# Altium PCB ECSE478 - DAQ Device.PcbDoc (part 4 of 4)
Units mil, origin at the board's own origin, x right, y up, seen from the top; angles counter-clockwise.
Board outline 8325 x 4500 mil, 4 copper layers (L1 (Sig), L2 (GND), L3 (GND), L4 (Sig)), stack 23.756 mil thick; 560 components, 359 nets, 1613 pads, 965 vias.
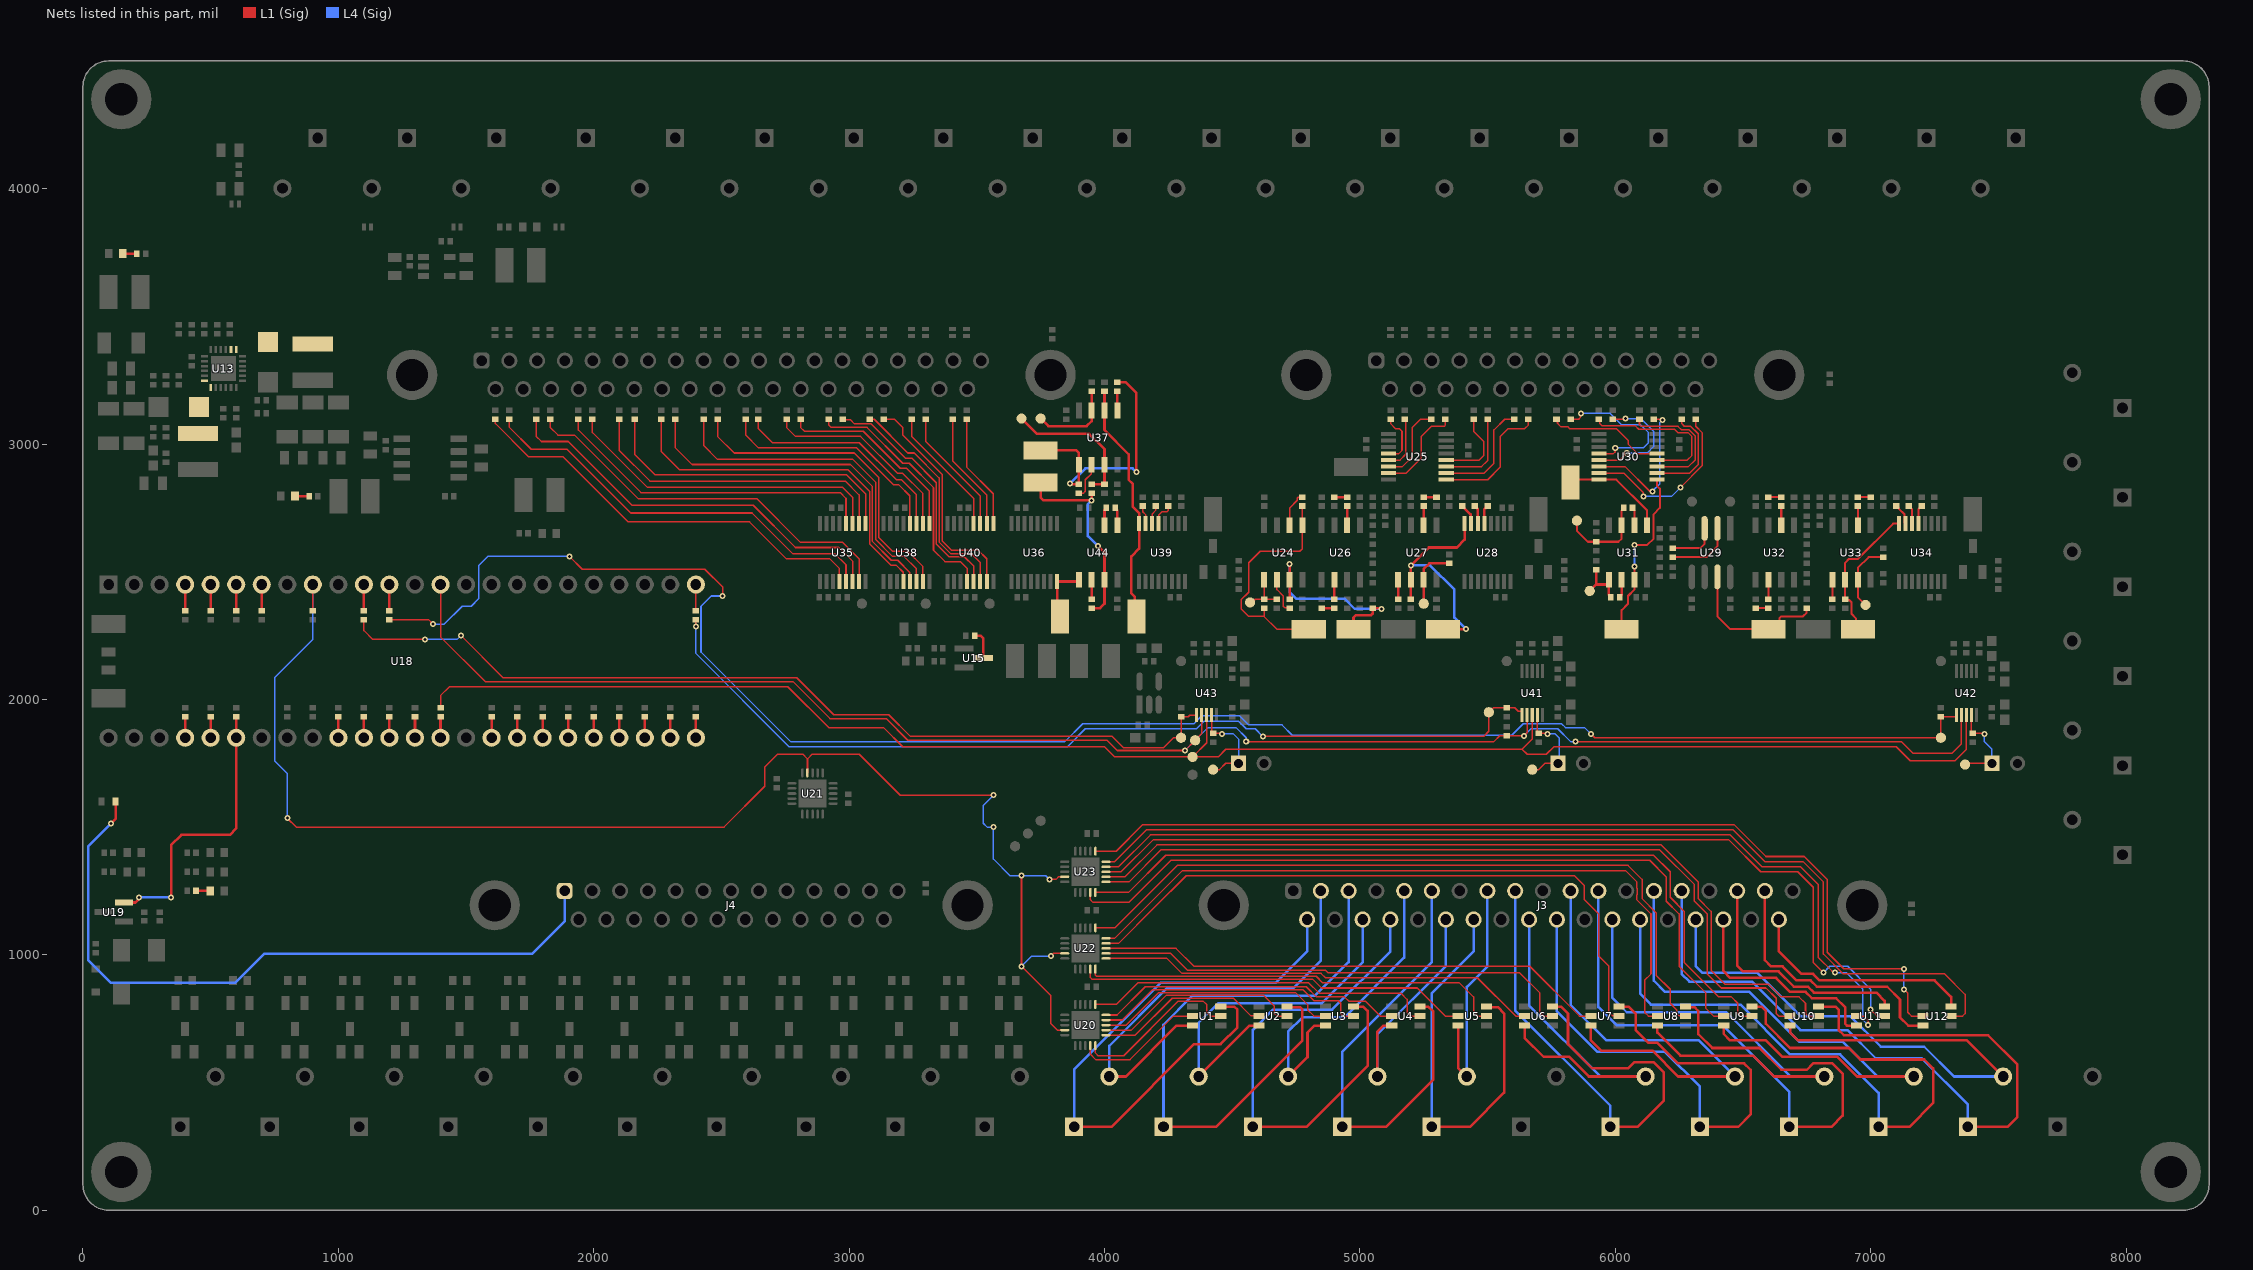
[diagram p6: the nets of this part, all layers, seen from the top]

## Via types
v1: diameter 23.62, hole 11.81, L1 (Sig) to L4 (Sig), tented both sides, 944 vias
v2: diameter 19.68, hole 7.87, L1 (Sig) to L4 (Sig), tented bottom, 16 vias
v3: diameter 23.62/27/27/27 (per signal layer), hole 11.81, L1 (Sig) to L4 (Sig), tented both sides, 3 vias
v4: diameter 23.62/23.62/23.62/27 (per signal layer), hole 11.81, L1 (Sig) to L4 (Sig), tented both sides, 2 vias

## Nets (pads, with @x,y where several pads share a name; then routed paths per layer and width w, separated by ;. In a path a pad name is that pad's centre, name@x,y a point inside that pad or via, vN(x,y) a via of type N, cw(c..) or ccw(c..) an arc to the next point about the centre after c; other vN are vias at no path point) (continued)
NetD30_1: D30.1 R145.1 | length 54.9
  L1 (Sig) w10: R145.1@442.5,1250 D30.1@497.44,1250
NetD31_1: D31.1 R146.1 | length 54.9
  L1 (Sig) w10: D31.1@155.12,3745.87 R146.1@210.06,3745.87
NetD32_2: D32.2 R147.1 | length 54.9
  L1 (Sig) w10: D32.2@830.12,2795.87 R147.1@885.06,2795.87
NetF1_1: F1.1 J4.1 | length 2786.7
  L1 (Sig) w10: v1(110,1515) 127.56,1532.56 F1.1@127.56,1600
  L4 (Sig) w10: v1(110,1515) 20,1425 20,980 110,890 595,890 710,1005 1760,1005 1886.18,1131.18 J4.1@1886.18,1250
NetR11_2: R11.2 U15.3 | length 114.7
  L1 (Sig) w10: R11.2@3492.5,2250 3515,2250 3525.59,2239.41 U15.3@3525.59,2162.2
NetR12_2: R12.2 U18.4 | length 102.5
  L1 (Sig) w10: R12.2@400,2347.5 U18.4@400,2450
NetR13_2: R13.2 U18.5 | length 102.5
  L1 (Sig) w10: R13.2@500,2347.5 U18.5@500,2450
NetR14_2: R14.2 U18.6 | length 102.5
  L1 (Sig) w10: R14.2@600,2347.5 U18.6@600,2450
NetR15_2: R15.2 U18.7 | length 102.5
  L1 (Sig) w10: R15.2@700,2347.5 U18.7@700,2450
NetR16_2: R16.2 U18.11 | length 102.5
  L1 (Sig) w10: R16.2@1100,2347.5 U18.11@1100,2450
NetR17_2: R17.2 U18.12 | length 102.5
  L1 (Sig) w10: R17.2@1200,2347.5 U18.12@1200,2450
NetR18_1: R18.1 U18.35 | length 82.5
  L1 (Sig) w10: U18.35@1400,1850 R18.1@1400,1932.5
NetR62_1: R62.1 R198.1 TP55.1 U24.7 | length 818.7
  L1 (Sig) w10: R198.1@4725,2392.5 U24.7@4725,2468.7 v1(4725,2530) ; TP55.1@4975,2275 4975,2320 4985,2330 5044.14,2330 5050,2335.86 R62.1@5050,2357.5 5082.5,2357.5 v1(5085,2355)
  L4 (Sig) w10: v1(4725,2530) 4725,2420 4750,2395 4940,2395 4980,2355 v1(5085,2355)
NetR68_1: R68.1 U24.2 | length 141.1
  L1 (Sig) w6: U24.2@4725,2681.3 4725,2750 4755,2780 4755,2788.2 4758.51,2791.72 4774.22,2791.72 R68.1@4775,2792.5
NetR68_2: R68.2 R196.2 TP43.1 U24.1 | length 923.3
  L1 (Sig) w6: R196.2@4625,2357.5 4625,2325 ; R68.2@4775,2757.5 U24.1@4775,2681.3 4775,2590 4765,2580 4610,2580 4565,2535 4565,2420 4535,2390 4535,2355 4565,2325 4625,2325 ; TP43.1@4800,2275 4675,2275 4625,2325
NetR69_1: R69.1 U26.2 | length 76.2
  L1 (Sig) w10: R69.1@4900,2392.5 U26.2@4900,2468.7
NetR69_2: R69.2 R70.1 | length 50
  L1 (Sig) w10: R70.1@4850,2357.5 R69.2@4900,2357.5
NetR71_1: R71.1 U26.6 | length 76.2
  L1 (Sig) w10: U26.6@4950,2681.3 R71.1@4950,2757.5
NetR71_2: R71.2 R72.1 | length 50
  L1 (Sig) w10: R72.1@4900,2792.5 R71.2@4950,2792.5
NetR73_1: R73.1 U27.2 | length 76.2
  L1 (Sig) w10: U27.2@5250,2681.3 R73.1@5250,2757.5
NetR73_2: R73.2 R74.1 | length 50
  L1 (Sig) w10: R73.2@5250,2792.5 R74.1@5300,2792.5
NetR77_1: R77.1 U27.5 | length 76.2
  L1 (Sig) w10: R77.1@5150,2392.5 U27.5@5150,2468.7
NetR79_2: R79.2 TP25.1 U27.6 U28.8 | length 920.3
  L1 (Sig) w10: R79.2@5200,2392.5 U27.6@5200,2468.7 v1(5200,2525) 5270,2595 5380,2595 5410.43,2625.43 U28.8@5410.43,2688.19 ; TP25.1@5325,2275 v1(5415,2275)
  L4 (Sig) w10: v1(5200,2525) 5275,2525 5370,2430 5370,2320 v1(5415,2275)
NetR80_2: R80.2 U28.5 | length 75.8
  L1 (Sig) w10: U28.5@5487.2,2688.19 5487.2,2744.7 5492.2,2749.7 5492.2,2751.67 5498.03,2757.5 R80.2@5500,2757.5
NetR81_2: R81.2 U28.6 | length 75.3
  L1 (Sig) w10: R81.2@5450,2757.5 5451.97,2757.5 5457.8,2751.67 5457.8,2749.63 5461.61,2745.82 U28.6@5461.61,2688.19
NetR82_2: R82.2 U28.7 | length 85.4
  L1 (Sig) w10: R82.2@5400,2757.5 5401.97,2757.5 5407.8,2751.67 5407.8,2749.7 5433.36,2724.14 5433.36,2690.85 U28.7@5436.02,2688.19
NetR83_2: R83.2 R85.1 TP27.1 U31.7 | length 360.9
  L1 (Sig) w8: TP27.1@5850,2700 5850,2660 5892.5,2617.5 R83.2@5925,2617.5 6012.5,2617.5 6025,2630 U31.7@6025,2681.3 6025,2740.53 6032.5,2748.03 R85.1@6032.5,2750
NetR84_1: R84.1 U29.3 | length 192.3
  L1 (Sig) w8: R84.1@6225,2592.5 6332.5,2592.5 6350,2610 U29.3@6350,2670.02
NetR84_2: R84.2 U29.2 | length 262.6
  L1 (Sig) w8: R84.2@6225,2557.5 6357.5,2557.5 6400,2600 U29.2@6400,2670.02
NetR85_2: R85.2 U31.6 | length 71.8
  L1 (Sig) w8: R85.2@6067.5,2750 6067.5,2748.03 6075,2740.53 U31.6@6075,2681.3
NetR86_2: R86.2 R89.1 TP32.1 U31.1 | length 217.5
  L1 (Sig) w10: TP32.1@5900,2425 5925,2450 ; R86.2@5925,2507.5 5925,2450 ; U31.1@5975,2468.7 U31.1@5975,2456.81 ; R89.1@5982.5,2400 5982.5,2401.97 5975,2409.47 U31.1@5975,2456.81 ; 5925,2450 5968.19,2450 U31.1@5975,2456.81
NetR89_2: R89.2 U31.2 | length 71.8
  L1 (Sig) w10: R89.2@6017.5,2400 6017.5,2401.97 6025,2409.47 U31.2@6025,2468.7
NetR91_1: R91.1 TP26.1 U29.7 | length 576.7
  L1 (Sig) w8: U29.7@6400,2479.98 6400,2325 6450,2275 TP26.1@6600,2275 6611.31,2275 6642.75,2306.43 6642.75,2317.75 6650,2325 6735,2325 6749.36,2339.36 6749.36,2356.86 R91.1@6750,2357.5
NetR96_1: R96.1 R97.2 | length 50
  L1 (Sig) w8: R96.1@6550,2357.5 R97.2@6600,2357.5
NetR97_1: R97.1 U32.2 | length 76.2
  L1 (Sig) w8: R97.1@6600,2392.5 U32.2@6600,2468.7
NetR98_1: R98.1 R99.2 | length 50
  L1 (Sig) w8: R98.1@6600,2792.5 R99.2@6650,2792.5
NetR99_1: R99.1 U32.6 | length 76.2
  L1 (Sig) w8: U32.6@6650,2681.3 R99.1@6650,2757.5
NetR100_1: R100.1 R101.2 | length 50
  L1 (Sig) w8: R101.2@6950,2792.5 R100.1@7000,2792.5
NetR101_1: R101.1 U33.2 | length 76.2
  L1 (Sig) w8: U33.2@6950,2681.3 R101.1@6950,2757.5
NetR104_1: R104.1 U33.5 | length 76.2
  L1 (Sig) w8: R104.1@6850,2392.5 U33.5@6850,2468.7
NetR106_2: R106.2 TP35.1 U33.6 U34.8 | length 562.1
  L1 (Sig) w8: TP35.1@6950,2275 6942.25,2282.75 6942.25,2317.75 6925,2335 6925,2380.31 6915.31,2390 6902.5,2390 R106.2@6900,2392.5 U33.6@6900,2468.7 6900,2535 6915,2550 6950,2550 7088.19,2688.19 U34.8@7110.43,2688.19
NetR107_2: R107.2 U34.5 | length 75.8
  L1 (Sig) w8: U34.5@7187.2,2688.19 7187.2,2744.7 7191.2,2748.7 7191.2,2750.67 7198.03,2757.5 R107.2@7200,2757.5
NetR108_2: R108.2 U34.6 | length 75.3
  L1 (Sig) w8: R108.2@7150,2757.5 7151.97,2757.5 7158.8,2750.67 7158.8,2748.7 7161.61,2745.89 U34.6@7161.61,2688.19
NetR109_2: R109.2 U34.7 | length 85.4
  L1 (Sig) w8: R109.2@7100,2757.5 7101.97,2757.5 7108.8,2750.67 7108.8,2748.7 7133.48,2724.02 7133.48,2690.73 U34.7@7136.02,2688.19
NetR113_1: R113.1 U37.5 | length 76.2
  L1 (Sig) w10: U37.5@4050,3131.3 R113.1@4050,3207.5
NetR113_2: R113.2 R144.1 TP51.1 U37.1 | length 1006.3
  L1 (Sig) w10: TP51.1@3750,2975 3890,2975 3900,2965 U37.1@3900,2918.7 R144.1@3900,2842.5 3867.5,2842.5 v1(3865,2845) ; R113.2@4050,3242.5 4082.5,3242.5 4125,3200 v1(4125,2890)
  L4 (Sig) w10: v1(3865,2845) 3925,2905 4110,2905 v1(4125,2890)
NetR114_2: R114.2 TP39.1 U37.6 U39.8 | length 959.5
  L1 (Sig) w10: R114.2@4000,3207.5 U37.6@4000,3131.3 4000,3055 4095,2960 4095,2860 4110,2845 4110,2755 4135.43,2729.57 U39.8@4135.43,2688.19 4135.43,2590.43 4105,2560 4105,2415 4118.93,2401.07 4118.93,2331.07 TP39.1@4125,2325
NetR115_2: R115.2 U39.5 | length 96.7
  L1 (Sig) w6: U39.5@4212.2,2688.19 4213.2,2689.19 4213.2,2723.2 4225,2735 4245,2735 4250,2740 R115.2@4250,2757.5
NetR116_2: R116.2 U39.6 | length 74.9
  L1 (Sig) w6: U39.6@4186.61,2688.19 4186.61,2726.61 4200,2740 R116.2@4200,2757.5
NetR117_2: R117.2 U39.7 | length 73.9
  L1 (Sig) w6: R117.2@4150,2757.5 4150,2735 4161.02,2723.98 U39.7@4161.02,2688.19
NetR125_1: R125.1 U18.45 | length 82.5
  L1 (Sig) w10: U18.45@400,1850 R125.1@400,1932.5
NetR126_1: R126.1 U18.44 | length 82.5
  L1 (Sig) w10: U18.44@500,1850 R126.1@500,1932.5
NetR127_1: R127.1 U18.39 | length 82.5
  L1 (Sig) w10: U18.39@1000,1850 R127.1@1000,1932.5
NetR128_1: R128.1 U18.38 | length 82.5
  L1 (Sig) w10: U18.38@1100,1850 R128.1@1100,1932.5
NetR129_1: R129.1 U18.37 | length 82.5
  L1 (Sig) w10: U18.37@1200,1850 R129.1@1200,1932.5
NetR130_1: R130.1 U18.36 | length 82.5
  L1 (Sig) w10: U18.36@1300,1850 R130.1@1300,1932.5
NetR131_1: R131.1 U18.33 | length 82.5
  L1 (Sig) w10: U18.33@1600,1850 R131.1@1600,1932.5
NetR132_1: R132.1 U18.32 | length 82.5
  L1 (Sig) w10: U18.32@1700,1850 R132.1@1700,1932.5
NetR133_1: R133.1 U18.31 | length 82.5
  L1 (Sig) w10: U18.31@1800,1850 R133.1@1800,1932.5
NetR134_1: R134.1 U18.30 | length 82.5
  L1 (Sig) w10: U18.30@1900,1850 R134.1@1900,1932.5
NetR135_1: R135.1 U18.29 | length 82.5
  L1 (Sig) w10: U18.29@2000,1850 R135.1@2000,1932.5
NetR136_1: R136.1 U18.28 | length 82.5
  L1 (Sig) w10: U18.28@2100,1850 R136.1@2100,1932.5
NetR137_1: R137.1 U18.27 | length 82.5
  L1 (Sig) w10: U18.27@2200,1850 R137.1@2200,1932.5
NetR138_1: R138.1 U18.26 | length 82.5
  L1 (Sig) w10: U18.26@2300,1850 R138.1@2300,1932.5
NetR139_1: R139.1 U18.25 | length 82.5
  L1 (Sig) w10: U18.25@2400,1850 R139.1@2400,1932.5
NetR140_2: R140.2 TP46.1 U27.7 | length 244.3
  L1 (Sig) w10: TP46.1@5250,2375 U27.7@5250,2468.7 5250,2510 5272.5,2532.5 R140.2@5350,2532.5
NetR142_1: R142.1 TP47.1 U33.7 | length 275
  L1 (Sig) w8: TP47.1@6980,2370 6950,2400 U33.7@6950,2468.7 6950,2515 6992.5,2557.5 R142.1@7050,2557.5
NetR143_1: R143.1 TP50.1 U37.7 | length 338.2
  L1 (Sig) w10: TP50.1@3750,3100 3780,3070 3930,3070 3950,3090 R143.1@3950,3207.5
NetR144_2: R144.2 U37.2 | length 142.2
  L1 (Sig) w6: R144.2@3900,2807.5 3900.78,2808.28 3918.28,2808.28 3925,2815 3925,2860 3947.7,2882.7 3947.7,2916.4 U37.2@3950,2918.7
NetR149_2: R149.2 U25.4 | length 208.2
  L1 (Sig) w6: U25.4@5111.81,2962.8 5152.8,2962.8 5165,2975 5165,3050 5155,3060 5140,3060 5120,3080 R149.2@5120,3097.5
NetR150_2: R150.2 U25.5 | length 217.2
  L1 (Sig) w6: U25.5@5111.81,2937.2 5157.2,2937.2 5180,2960 5180,3092.5 R150.2@5175,3097.5
NetR151_2: R151.2 U25.6 | length 312.6
  L1 (Sig) w6: U25.6@5111.81,2911.61 5166.61,2911.61 5205,2950 5205,3065 5237.5,3097.5 R151.2@5280,3097.5
NetR152_2: R152.2 U25.7 | length 373.8
  L1 (Sig) w6: U25.7@5111.81,2886.02 5181.02,2886.02 5240,2945 5240,3030 5280,3070 5330,3070 5335,3075 R152.2@5335,3097.5
NetR153_2: R153.2 U25.12 | length 313.3
  L1 (Sig) w6: U25.12@5338.19,2937.2 5467.2,2937.2 5485,2955 5485,3010 5445,3050 R153.2@5445,3097.5
NetR154_2: R154.2 U25.11 | length 334
  L1 (Sig) w6: U25.11@5338.19,2911.61 5476.61,2911.61 5500,2935 R154.2@5500,3097.5
NetR155_2: R155.2 U25.10 | length 430.6
  L1 (Sig) w6: U25.10@5338.19,2886.02 5486.02,2886.02 5525,2925 5525,3055 5567.5,3097.5 R155.2@5605,3097.5
NetR156_2: R156.2 U25.9 | length 503.5
  L1 (Sig) w6: U25.9@5338.19,2860.43 5500.43,2860.43 5550,2910 5550,3030 5580,3060 5645,3060 5660,3075 R156.2@5660,3097.5
NetR157_2: R157.2 U30.4 | length 613.6
  L1 (Sig) w6: R157.2@5825,3097.5 5857.5,3097.5 5863.78,3103.78 5863.78,3118.78 v1(5865,3120) ; U30.4@5936.81,2962.8 5992.8,2962.8 6000,2970 v1(6000,2985)
  L4 (Sig) w6: v1(5865,3120) 5980,3120 6025,3075 6100,3075 6130,3045 6130,3005 6110,2985 v1(6000,2985)
NetR158_2: R158.2 U30.5 | length 476.8
  L1 (Sig) w6: U30.5@5936.81,2937.2 6017.2,2937.2 v1(6045,2965) ; R158.2@5990,3097.5 6037.5,3097.5 v1(6040,3100)
  L4 (Sig) w6: v1(6040,3100) 6100,3100 6150,3050 6150,2990 6125,2965 v1(6045,2965)
NetR159_2: R159.2 U30.6 | length 580.8
  L1 (Sig) w6: U30.6@5936.81,2911.61 6038.39,2911.61 6135,2815 v1(6145,2815) ; R159.2@6150,3097.5 6182.5,3097.5 v1(6185,3095)
  L4 (Sig) w6: v1(6145,2815) 6175,2845 6175,3085 v1(6185,3095)
NetR160_2: R160.2 U30.7 | length 692.2
  L1 (Sig) w6: U30.7@5936.81,2886.02 6033.98,2886.02 6108.78,2811.22 6108.78,2796.22 v1(6110,2795) ; v1(6255,2830) 6340,2915 6340,3045 6315,3070 R160.2@6315,3097.5
  L4 (Sig) w6: v1(6110,2795) 6220,2795 v1(6255,2830)
NetR161_2: R161.2 U30.13 | length 465.1
  L1 (Sig) w6: R161.2@5770,3097.5 5773.81,3093.69 5773.81,3081.19 5788,3067 5814.97,3067 5821.97,3060 6005,3060 6050,3015 6050,3000 6087.2,2962.8 U30.13@6163.19,2962.8
NetR162_2: R162.2 U30.12 | length 619.1
  L1 (Sig) w6: R162.2@5935,3097.5 5938.81,3093.69 5938.81,3081.19 5949,3071 6079,3071 6091.81,3058.19 6231.81,3058.19 6245,3045 6284.44,3045 6300,3029.44 6300,2955 6282.2,2937.2 U30.12@6163.19,2937.2
NetR163_2: R163.2 U30.11 | length 513.9
  L1 (Sig) w6: R163.2@6095,3097.5 6095,3075 6100.81,3069.19 6245.81,3069.19 6259,3056 6289,3056 6314,3031 6314,2939 6286.61,2911.61 U30.11@6163.19,2911.61
NetR164_2: R164.2 U30.10 | length 395
  L1 (Sig) w6: U30.10@6163.19,2886.02 6291.02,2886.02 6325,2920 6325,3040 6295,3070 6270,3070 6260,3080 R164.2@6260,3097.5
NetR165_2: R165.2 U35.4 | length 1650.6
  L1 (Sig) w6: R165.2@1615,3097.5 1615,3080 1745,2950 1880,2950 2135,2695 2610,2695 2755,2550 2925,2550 2962.2,2512.8 U35.4@2962.2,2461.81
NetR166_2: R166.2 U35.5 | length 1638.5
  L1 (Sig) w6: R166.2@1670,3097.5 1670,3065 1755,2980 1895,2980 2145,2730 2620,2730 2780,2570 2945,2570 2987.8,2527.2 U35.5@2987.8,2461.81
NetR167_2: R167.2 U35.6 | length 1588
  L1 (Sig) w6: R167.2@1775,3097.5 1775,3030 1795,3010 1900,3010 2150,2760 2625,2760 2790,2595 2960,2595 3013.39,2541.61 U35.6@3013.39,2461.81
NetR168_2: R168.2 U35.7 | length 1543.6
  L1 (Sig) w6: R168.2@1830,3097.5 1830,3065 1860,3035 1925,3035 2175,2785 2640,2785 2810,2615 2975,2615 3038.98,2551.02 U35.7@3038.98,2461.81
NetR169_2: R169.2 U35.12 | length 1300.2
  L1 (Sig) w6: R169.2@1940,3097.5 1940,3055 2185,2810 2965,2810 2987.8,2787.2 U35.12@2987.8,2688.19
NetR170_2: R170.2 U35.11 | length 1279.3
  L1 (Sig) w6: R170.2@1995,3097.5 1995,3045 2210,2830 2975,2830 3013.39,2791.61 U35.11@3013.39,2688.19
NetR171_2: R171.2 U35.10 | length 1246.4
  L1 (Sig) w6: R171.2@2100,3097.5 2100,2975 2220,2855 2985,2855 3038.98,2801.02 U35.10@3038.98,2688.19
NetR172_2: R172.2 U35.9 | length 1223.3
  L1 (Sig) w6: R172.2@2160,3097.5 2160,2960 2240,2880 2990,2880 3064.57,2805.43 U35.9@3064.57,2688.19
NetR173_2: R173.2 U38.4 | length 1426.7
  L1 (Sig) w6: R173.2@2265,3097.5 2265,2970 2335,2900 2995,2900 3080.44,2814.56 3080.44,2655.35 3080,2654.91 3080,2610 3165,2525 3185,2525 3212.2,2497.8 U38.4@3212.2,2461.81
NetR174_2: R174.2 U38.5 | length 1393.7
  L1 (Sig) w6: R174.2@2320,3097.5 2320,2985 2385,2920 3005,2920 3091.44,2833.56 3091.44,2618.56 3165,2545 3190,2545 3237.8,2497.2 U38.5@3237.8,2461.81
NetR175_2: R175.2 U38.6 | length 1317.7
  L1 (Sig) w6: R175.2@2430,3097.5 2430,2995 2485,2940 3015,2940 3105,2850 3105,2625 3170,2560 3215,2560 3263.39,2511.61 U38.6@3263.39,2461.81
NetR176_2: R176.2 U38.7 | length 1279.2
  L1 (Sig) w6: R176.2@2485,3097.5 2485,3030 2550,2965 3020,2965 3116,2869 3116,2634 3170,2580 3230,2580 3288.98,2521.02 U38.7@3288.98,2461.81
NetR177_2: R177.2 U38.12 | length 912.8
  L1 (Sig) w6: R177.2@2595,3097.5 2595,3035 2645,2985 3030,2985 3175,2840 3195,2840 3237.8,2797.2 U38.12@3237.8,2688.19
NetR178_2: R178.2 U38.11 | length 876.3
  L1 (Sig) w6: R178.2@2645,3097.5 2645,3060 2700,3005 3040,3005 3185,2860 3205,2860 3263.39,2801.61 U38.11@3263.39,2688.19
NetR179_2: R179.2 U38.10 | length 791.6
  L1 (Sig) w6: R179.2@2755,3097.5 2755,3065 2790,3030 3045,3030 3190,2885 3210,2885 3288.98,2806.02 U38.10@3288.98,2688.19
NetR180_2: R180.2 U38.9 | length 767.7
  L1 (Sig) w6: R180.2@2810,3097.5 2810,3065 2825,3050 3055,3050 3200,2905 3225,2905 3314.57,2815.43 U38.9@3314.57,2688.19
NetR181_2: R181.2 U40.4 | length 992.1
  L1 (Sig) w6: R181.2@2920,3097.5 2920,3075 2930,3065 3070,3065 3210,2925 3235,2925 3330.44,2829.56 3330.44,2584.56 3375,2540 3435,2540 3462.2,2512.8 U40.4@3462.2,2461.81
NetR182_2: R182.2 U40.5 | length 952.1
  L1 (Sig) w6: R182.2@2975,3097.5 2977.5,3095 3005,3095 3021.33,3078.67 3086.33,3078.67 3220,2945 3245,2945 3341.44,2848.56 3341.44,2608.56 3391,2559 3451,2559 3487.8,2522.2 U40.5@3487.8,2461.81
NetR183_2: R183.2 U40.6 | length 887.3
  L1 (Sig) w6: R183.2@3080,3097.5 3080.78,3096.72 3098.28,3096.72 3230,2965 3255,2965 3352.44,2867.56 3352.44,2617 3399.44,2570 3480,2570 3513.39,2536.61 U40.6@3513.39,2461.81
NetR184_2: R184.2 U40.7 | length 888.4
  L1 (Sig) w6: R184.2@3135.98,3097.5 3177.5,3097.5 3210,3065 3210,3035.56 3365,2880.56 3365,2620 3400,2585 3505,2585 3538.98,2551.02 U40.7@3538.98,2461.81
NetR185_2: R185.2 U40.12 | length 509.9
  L1 (Sig) w6: R185.2@3245,3097.5 3245,3030 3487.8,2787.2 U40.12@3487.8,2688.19
NetR186_2: R186.2 U40.11 | length 497.7
  L1 (Sig) w6: R186.2@3300,3097.5 3300,3010 3513.39,2796.61 U40.11@3513.39,2688.19
NetR187_2: R187.2 U40.10 | length 464.8
  L1 (Sig) w6: R187.2@3405,3097.5 3405,2935 3538.98,2801.02 U40.10@3538.98,2688.19
NetR188_2: R188.2 U40.9 | length 452.6
  L1 (Sig) w6: R188.2@3460,3097.5 3460,2910 3564.57,2805.43 U40.9@3564.57,2688.19
NetR189_2: R189.2 U18.24 | length 102.5
  L1 (Sig) w6: R189.2@2400,2347.5 U18.24@2400,2450
NetR196_1: R196.1 R197.2 TP56.1 U24.5 | length 186.4
  L1 (Sig) w6: TP56.1@4570,2380 4578.01,2380 4590.51,2392.5 R196.1@4625,2392.5 ; U24.5@4625,2468.7 R196.1@4625,2392.5 ; R197.2@4675,2392.5 R196.1@4625,2392.5
NetR198_2: R198.2 U24.6 | length 142.2
  L1 (Sig) w6: U24.6@4675,2468.7 4675,2430 4700,2405 4700,2365 4706.72,2358.28 4724.22,2358.28 R198.2@4725,2357.5
NetR199_1: R199.1 R201.2 TP57.1 U37.3 | length 562.2
  L1 (Sig) w10: TP57.1@3675,3100 3735,3040 3940,3040 4000,2980 U37.3@4000,2918.7 R201.2@4000,2842.5 R199.1@3950,2842.5
NetR199_2: R199.2 R200.1 TP58.1 U44.7 | length 787.2
  L1 (Sig) w10: TP58.1@3750,2850 3750,2790 3760.48,2779.52 v1(3950,2779.52) R199.2@3950,2807.5 ; R200.1@3950,2357.5 3982.5,2357.5 4000,2375 U44.7@4000,2468.7 4000,2575 v1(3975,2600)
  L4 (Sig) w10: v1(3950,2779.52) 3935,2764.52 3935,2640 v1(3975,2600)
NetR200_2: R200.2 U44.6 | length 76.2
  L1 (Sig) w10: R200.2@3950,2392.5 U44.6@3950,2468.7
NetR202_1: R202.1 U44.1 | length 71.8
  L1 (Sig) w10: R202.1@4042.5,2750 4042.5,2748.03 4050,2740.53 U44.1@4050,2681.3
NetR202_2: R202.2 U44.2 | length 71.8
  L1 (Sig) w10: U44.2@4000,2681.3 4000,2740.53 4007.5,2748.03 R202.2@4007.5,2750
NetTP28_1: TP28.1 U30.8 U31.5 | length 412.9
  L1 (Sig) w8: TP28.1@5825,2850 5835.43,2860.43 U30.8@5936.81,2860.43 6004.57,2860.43 6125,2740 U31.5@6125,2681.3
NetTP31_1: TP31.1 U30.9 U31.3 | length 681.7
  L1 (Sig) w8: TP31.1@6025,2275 6025,2350 6050,2375 6050,2405 6075,2430 U31.3@6075,2468.7 v1(6075,2520) ; v1(6075,2605) 6125,2605 6150,2630 6150,2725 6175,2750 6175,2825 6163.19,2836.81 U30.9@6163.19,2860.43
  L4 (Sig) w8: v1(6075,2520) v1(6075,2605)
NetTP37_1: TP37.1 U36.8 U44.5 | length 229.5
  L1 (Sig) w10: TP37.1@3825,2325 3814.57,2335.43 U36.8@3814.57,2461.81 3893.19,2461.81 3900,2468.62 U44.5@3900,2468.7
nRESET: R190.2 U18.9 U20.4 U21.4 U22.4 U23.4 | length 5674.4
  L1 (Sig) w6: v1(800,1535) 835,1500 2510,1500 2670,1660 2670,1735 2720,1785 2818.94,1785 2836.97,1766.97 ; R190.2@900,2347.5 U18.9@900,2450 ; U21.4@2836.97,1712.36 2836.97,1766.97 ; v1(3565,1625) 3200,1625 3040,1785 2855,1785 2836.97,1766.97 ; v1(3675,1310) v1(3675,955) 3790,840 3790,730 3814.69,705.32 U20.4@3844.29,705.32 ; v1(3785,1295) 3810,1295 3820.31,1305.32 U23.4@3844.29,1305.32 ; v1(3790,995) 3800.31,1005.32 U22.4@3844.29,1005.32